# Altium PCB Sheet1.PcbDoc
Units mm, origin at the board's own origin, x right, y up, seen from the top; angles counter-clockwise.
Board outline 116.87 x 83.92 mm, 2 copper layers (Top Layer, Bottom Layer), stack 1.569 mm thick; 84 components, 81 nets, 283 pads, 74 vias.
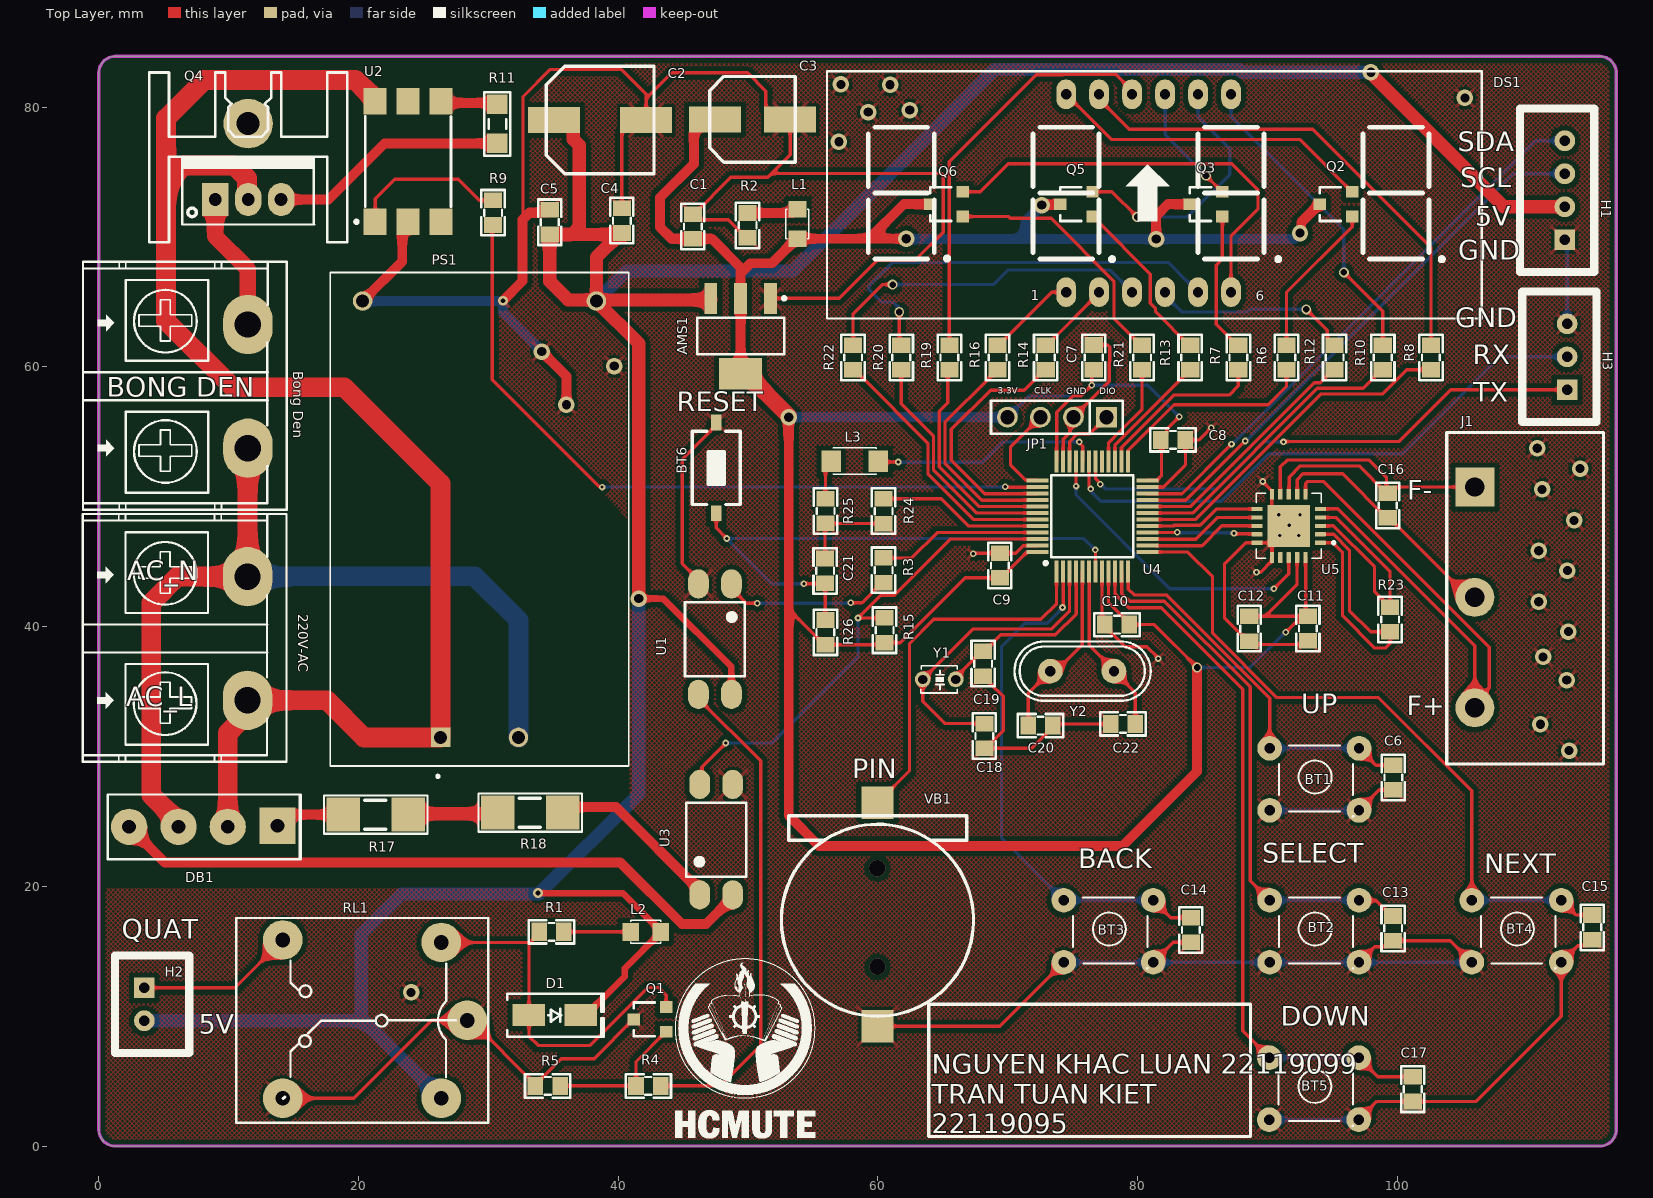
[diagram p0: Top Layer view]
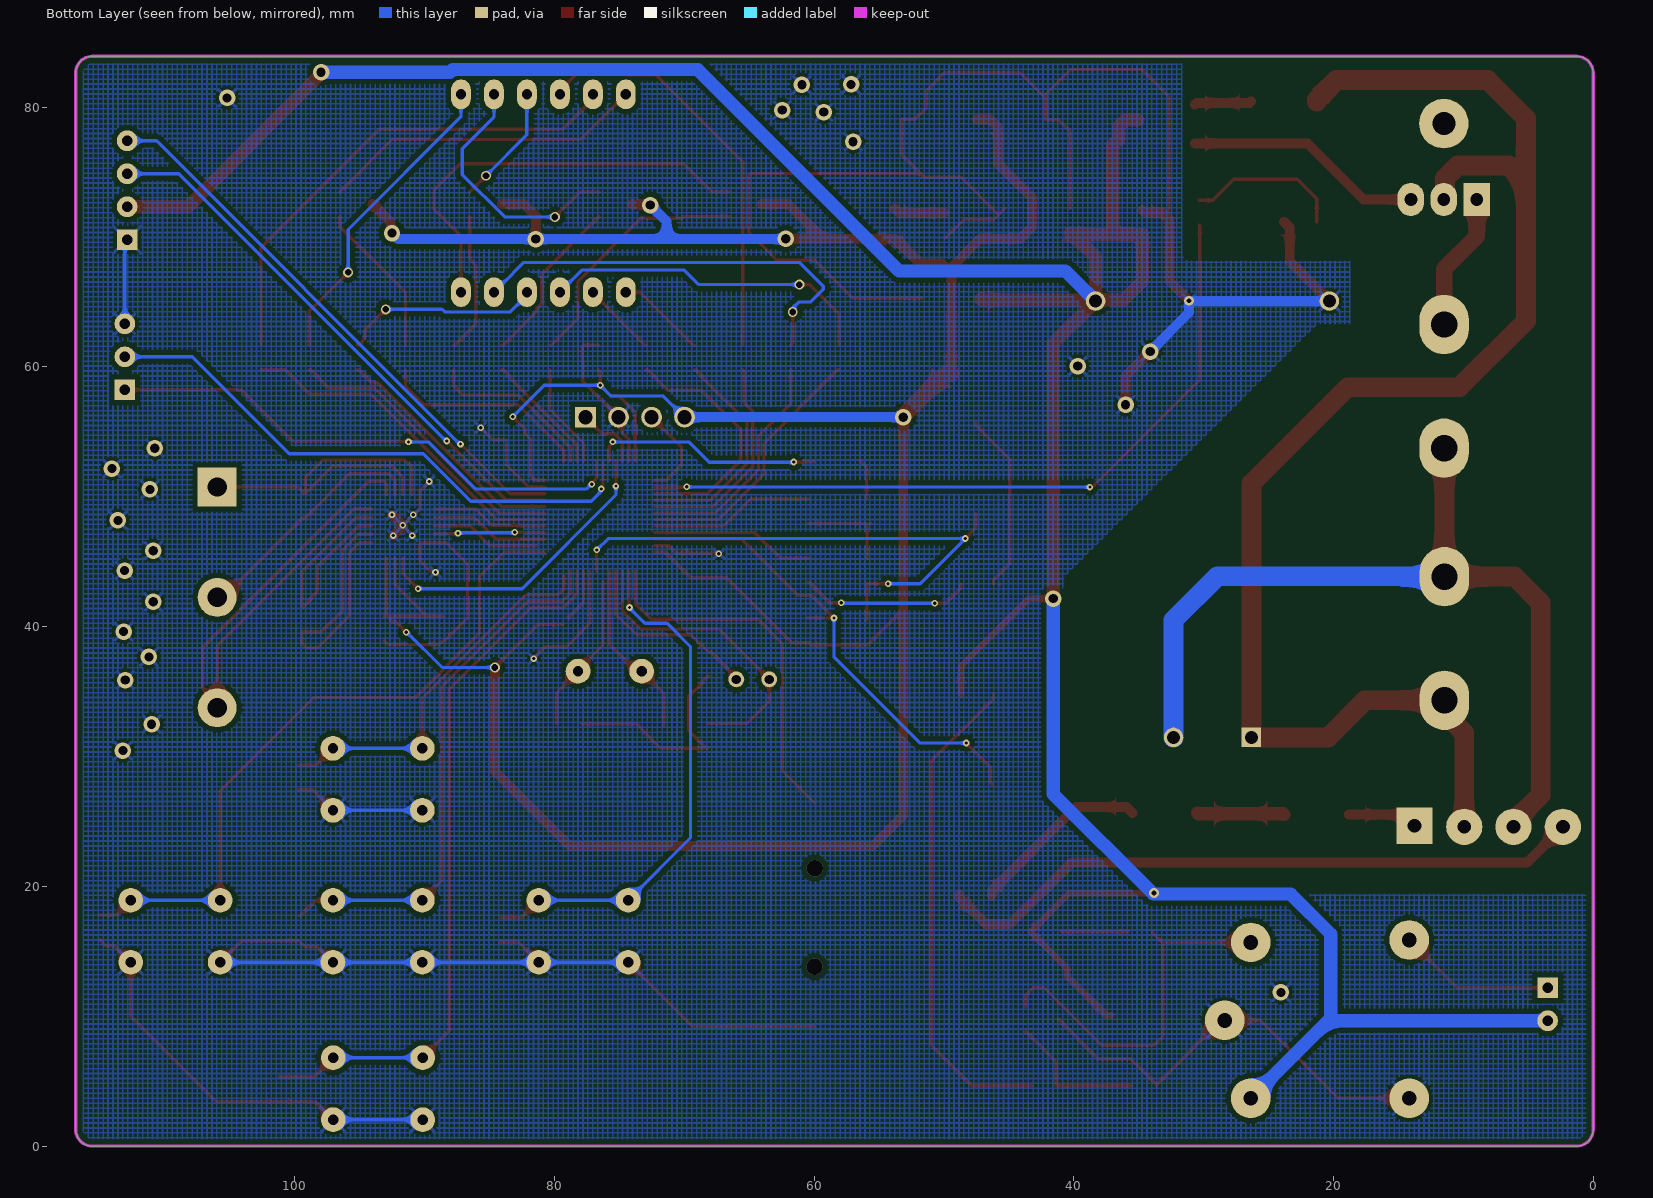
[diagram p1: Bottom Layer view, seen from below]

## Layer stack, top to bottom
Top Solder: solder mask 0.0254, SM-001, Dk 4
Top Layer: signal copper 0.035
Dielectric 1: core 1.4986, Core-043, Dk 4.3
Bottom Layer: signal copper 0.035
Bottom Solder: solder mask 0.0254, SM-001, Dk 4

## Board outline
1.27,0 cw(c1.27,1.27) 0,1.27 0,82.652 cw(c1.27,82.652) 1.27,83.922 115.595,83.922 cw(c115.595,82.652) 116.865,82.652 116.865,1.27 cw(c115.595,1.27) 115.595,0

## Design rules (kind name [scope] priority, off if disabled: settings)
Clearance Clearance_4 [All vs InPolygon] p1: gap=0.381 ignorepadtopadclearanceinfootprint=FALSE
Clearance [All] p2: gap=0.152 ignorepadtopadclearanceinfootprint=FALSE
ComponentClearance [All] p1: gap=0.254 collisioncheckmode=3 verticalgap=0.102 showdistances=TRUE
HoleToHoleClearance [All] p1: gap=0.025 allowstackedmicrovias=TRUE
MinimumSolderMaskSliver [All] p1: minsoldermaskwidth=0.025
PolygonConnect [All] p1: connectstyle=Relief reliefconductorwidth=0.254 reliefentries=4 polygonreliefangle="45 Angle" airgapwidth=0.254
RoutingVias [All] p1: holewidth=0.381 width=0.762 viastyle="Through Hole" minholewidth=0.254 minwidth=0.508 maxholewidth=0.711 maxwidth=1.27
SilkToSilkClearance [All] p1: silktosilkclearance=0.025
SilkToSolderMaskClearance [IsPad] p1: minsilkscreentomaskgap=0.025 clearancetoexposedcopper=TRUE
SolderMaskExpansion SolderMaskExpansion_1 [IsVia] p1: expansion=0.102 istentingtop=TRUE
SolderMaskExpansion [All] p2: expansion=0 istentingtop=FALSE useseparateexpansions=TRUE expansionbottom=0 istentingbottom=FALSE
Width 5V [InNet('5V')] p1: maxlimit=1.524 minlimit=0.508 preferedwidth=1.016
Width AC_N [InNet('N')] p2: maxlimit=2.032 minlimit=1.016 preferedwidth=1.524
Width AC_L [InNet('L')] p3: maxlimit=2.032 minlimit=1.016 preferedwidth=1.524
Width [All] p4: maxlimit=1.27 minlimit=0.254 preferedwidth=0.762
25 further rules are at their usual default settings.

## Components (designator, comment, footprint, x,y, rotation, side; value= is the part's Value field where it differs from the comment)
220V-AC "HB9500" "CON 2 HB9500" 11.455,39.091 r270 top
AMS1 "AMS1117-3.3V" SOT223 49.428,62.382 r180 top value="AMS1117-3.3V SOT223"
"Bong Den" "HB9500" "CON 2 HB9500" 11.481,58.509 r270 top
BT1 "" "Nut Nhan 4 Chan Cam 6x6" 90.5,30.836 r0 top
BT2 "" "Nut Nhan 4 Chan Cam 6x6" 90.5,19.132 r0 top
BT3 "" "Nut Nhan 4 Chan Cam 6x6" 74.651,19.132 r0 top
BT4 "" "Nut Nhan 4 Chan Cam 6x6" 106.072,19.132 r0 top
BT5 "" "Nut Nhan 4 Chan Cam 6x6" 90.475,7.01 r0 top
BT6 "Nut Nhan 2 Chan SMD 3x6x2.5" "Nut Nhan 2 Chan SMD 3x6x2.5" 47.549,52.222 r270 top
C1 "106" "tu 0805" 45.745,70.815 r90 top
C2 "470uF" "tu nhom 8 (f)" 38.602,79.019 r0 top
C3 "100uF" "tu nhom 6.3 (d)" 50.343,79.07 r0 top
C4 "330nF" "tu 0805" 40.284,71.272 r270 top
C5 "104" "tu 0805" 34.722,71.145 r90 top
C6 "104" "tu 0805" 99.692,28.378 r90 top
C7 "104" "tu 0805" 76.622,60.735 r90 top
C8 "104" "tu 0805" 82.728,54.381 r0 top
C9 "104" "tu 0805" 69.393,44.704 r90 top
C10 "104" "tu 0805" 78.41,40.157 r180 top
C11 "104" "tu 0805" 93.12,39.867 r270 top
C12 "104" "tu 0805" 88.599,39.847 r270 top
C13 "104" "tu 0805" 99.67,16.764 r90 top
C14 "104" "tu 0805" 84.099,16.637 r90 top
C15 "104" "tu 0805" 115.011,16.84 r90 top
C16 "104" "tu 0805" 99.259,49.336 r90 top
C17 "104" "tu 0805" 101.19,4.38 r90 top
C18 "10pF" "tu 0805" 68.202,31.592 r270 top
C19 "10pF" "tu 0805" 68.101,37.149 r270 top
C20 "22pF" "tu 0805" 72.527,32.387 r0 top
C21 "105" "tu 0805" 55.931,44.298 r90 top
C22 "22pF" "tu 0805" 78.881,32.507 r180 top
D1 "M7" "DIODE SMA" 35.128,10.084 r0 top
DB1 "Diode Brideg" "DIO-Bri 2A" 13.767,24.613 r180 top value="Cau 1A"
DS1 "7SEGQ" LED7SEG-4-0.56 74.498,65.761 r0 top value="LED 7Q SEG"
H1 "Header 4P" XH2.54M-4 112.903,69.799 r90 top
H2 "Header  2" XH2.54M-2 3.505,12.191 r270 top
H3 "Header 3P" XH2.54M-3 113.081,58.242 r90 top
J1 "KF3" KF3-8.5 105.969,42.248 r0 top
JP1 "JP 1x4 2.54" "JP 1x4 DT" 77.597,56.134 r180 top
L1 "LED 0805" LED-0805-Red 53.797,69.875 r90 top
L2 "LED 0805" LED-0805-Yellow 43.268,16.5 r180 top
L3 "LED 0805" LED-1206-Blue 60.02,52.756 r180 top
PS1 "HLK-5M05" CONV_HLK-5M05 29.32,48.275 r90 top
Q1 "HF" SOT23 42.443,9.754 r90 top value=C9014
Q2 "BA" SOT23 95.275,72.542 r90 top
Q3 "BA" SOT23 85.278,72.542 r90 top
Q4 "BTA12-600" TO220H1 11.506,72.897 r0 top
Q5 "BA" SOT23 75.281,72.542 r90 top
Q6 "BA" SOT23 65.283,72.542 r90 top
R1 "1k" "tro smd 0805" 34.872,16.439 r180 top
R2 "220R" "tro smd 0805" 49.901,70.902 r90 top
R3 "220R" "tro smd 0805" 60.503,44.348 r270 top
R4 "1k" "tro smd 0805" 42.316,4.699 r0 top
R5 "4.7k" "tro smd 0805" 34.569,4.699 r0 top
R6 "220R" "tro smd 0805" 91.405,60.732 r90 top
R7 "220R" "tro smd 0805" 87.696,60.732 r90 top
R8 "82R" "Tro SMD 0805" 102.53,60.732 r90 top
R9 "220R" "tro smd 0805" 30.302,71.881 r90 top
R10 "82R" "Tro SMD 0805" 98.821,60.732 r90 top
R11 "470R" "tro smd 1206" 30.683,78.715 r270 top
R12 "82R" "Tro SMD 0805" 95.113,60.732 r90 top
R13 "220R" "tro smd 0805" 83.988,60.732 r90 top
R14 "82R" "Tro SMD 0805" 72.863,60.732 r90 top
R15 "1k" "tro smd 0805" 60.579,39.726 r270 top
R16 "82R" "Tro SMD 0805" 69.154,60.732 r90 top
R17 "100k" "tro smd 2010" 21.325,25.526 r0 top
R18 "100k" "tro smd 2010" 33.223,25.679 r0 top
R19 "82R" "Tro SMD 0805" 65.446,60.732 r90 top
R20 "82R" "Tro SMD 0805" 61.737,60.732 r90 top
R21 "220R" "tro smd 0805" 80.279,60.732 r90 top
R22 "82R" "Tro SMD 0805" 58.029,60.732 r90 top
R23 "430R 0.1%" "Tro SMD 0805" 99.502,40.553 r270 top
R24 "10k" "tro smd 0805" 60.503,48.895 r270 top
R25 "220R" "tro smd 0805" 55.905,48.895 r90 top
R26 "10k" "tro smd 0805" 56.017,39.567 r270 top
RL1 "Relay" "Relay 5 Chan SRD" 28.373,9.682 r180 top
U1 "OPTO PC817 SMD" SOP4 47.447,39.04 r270 top value=PC817
U2 "MOC3021M" SO6 23.825,75.818 r0 top
U3 "OPTO PC817 SMD" SOP4 47.549,23.597 r90 top value=PC817
U4 "STM32F103C8T6" LQFP-48_19.6_393_58X11_SMD 76.514,48.497 r90 top
U5 "MAX31865ATP+T" QFN65P500X500X80-21N 91.64,47.762 r180 top
VB1 "CR1220 SMD" "DE PIN CR1220" 59.969,17.831 r180 top
Y1 "32.768K" "Thach Anh 2 Chan 32,768 KHz" 65.989,35.941 r270 top value=4Mhz
Y2 "8Mhz" "Thach Anh 2 chan cam" 75.731,36.575 r180 top value=4Mhz

## Footprints (in the part's own frame and the unit in brackets; to place one, negate y for a bottom-side part, rotate by r counter-clockwise, add the part's x,y. Pads: shape width x height; smd on the part's side, far side on the other; paste and mask are expansions set on the pad)
"CON 2 HB9500" [mil] "Header 2: 300V-20A, 2 pin, hight 300mil, Pin to Pin 400, Colour Green"
  oval 180x150 hole 80: 1(-187.5,0) 2(187.5,0)
  silkscreen extent -378,-500 374,118, body extent -366,-485 345,115, height 501
CONV_HLK-5M05 [mm]
  rect 1.5x1.5 / inner round 1.5 / far side rect 1.5x1.5 hole 1: 1(-16.8,3)
  round 1.5 hole 1: 2(-16.8,-3) 3(16.8,9) 4(16.8,-9)
  silkscreen extent -19.9,-11.5 19,11.5, body extent -19,-11.5 19,11.5, height 23
"DE PIN CR1220" [mm]
  rect 2.5x2.5 smd: 1(0,-8.6) 2(0,8.6)
  silkscreen extent -7.39,-7.6 7.4,7.84, body extent -7.39,-9.42 7.36,9.38, height 4.27
"DIO-Bri 2A" [mil] "CAU 2A DET"
  rect 110x110 hole 42: 1(0,-2)
  round 110 hole 42: 2(151,1) 3(300,1) 4(450,1)
  silkscreen extent -70,-97 515,100, body extent -62,-95 512,102, height 650
"DIODE SMA" [mm] "SMA"
  rect 2.5x1.7 smd: 1(-2,0) 2(2,0)
  silkscreen extent -3.68,-1.65 3.75,1.65, body extent -2.6,-1.37 2.6,1.37, height 2.4
"JP 1x4 DT" [mm] "4 pins, 1 row, straight, gold plating"
  rect 1.6x1.6 hole 1.1: 1(0,0)
  round 1.6 hole 1.1: 2(2.54,0) 3(5.08,0) 4(7.62,0)
  silkscreen extent -1.27,-1.27 8.89,1.27, body extent -1.27,-1.27 8.89,1.27, height 8.54
KF3-8.5 [mm]
  rect 3x3 hole 1.5: 1(0,8.509)
  round 3 hole 1.5: 2(0,0.009) 3(0,-8.491)
  silkscreen extent -2.16,-12.83 9.91,12.7, body extent -2.16,-12.75 9.84,12.75, height 12.5
LED7SEG-4-0.56 [mil]
  oval 60x90 hole 31: 1(0,0) 2(100,0) 3(200,0) 4(300,0) 5(400,0) 6(500,0) 7(500,600) 8(400,600) 9(300,600) 10(200,600) 11(100,600) 12(0,600)
  silkscreen extent -725,-80 1260,670, body extent -720,-80 1260,668, height 565
LED-0805-Red [mil]
  rect 50x55 smd: 1(0,0) 2(90,0)
  silkscreen extent 0,-35 90,35, body extent 5,-25 85,25, height 43
LED-0805-Yellow [mil]
  rect 50x55 smd: 1(0,0) 2(90,0)
  silkscreen extent 0,-35 90,35, body extent 5,-25 85,25, height 43
LED-1206-Blue [mil] "Compoment SMD 120x60mil"
  rect 60x65 smd: 1(0,0) 2(142,0)
  silkscreen extent 6,-40 136,40, body extent 7,-31 133,32, height 43
LQFP-48_19.6_393_58X11_SMD [mm] "48LQFP"
  rect 1.7x0.3 smd mask+0.076: 1(-4.238,2.75) 2(-4.238,2.25) 3(-4.238,1.75) 4(-4.238,1.25) 5(-4.238,0.75) 6(-4.238,0.25) 7(-4.238,-0.25) 8(-4.238,-0.75) 9(-4.238,-1.25) 10(-4.238,-1.75) 11(-4.238,-2.25) 12(-4.238,-2.75) 25(4.238,-2.75) 26(4.238,-2.25) 27(4.238,-1.75) 28(4.238,-1.25) 29(4.238,-0.75) 30(4.238,-0.25) 31(4.238,0.25) 32(4.238,0.75) 33(4.238,1.25) 34(4.238,1.75) 35(4.238,2.25) 36(4.238,2.75)
  rect 0.3x1.7 smd mask+0.076: 13(-2.75,-4.238) 14(-2.25,-4.238) 15(-1.75,-4.238) 16(-1.25,-4.238) 17(-0.75,-4.238) 18(-0.25,-4.238) 19(0.25,-4.238) 20(0.75,-4.238) 21(1.25,-4.238) 22(1.75,-4.238) 23(2.25,-4.238) 24(2.75,-4.238) 37(2.75,4.238) 38(2.25,4.238) 39(1.75,4.238) 40(1.25,4.238) 41(0.75,4.238) 42(0.25,4.238) 43(-0.25,4.238) 44(-0.75,4.238) 45(-1.25,4.238) 46(-1.75,4.238) 47(-2.25,4.238) 48(-2.75,4.238)
  silkscreen extent -3.72,-3.15 3.15,3.72, body extent -4.5,-4.5 4.5,4.5, height 1.7
"Nut Nhan 2 Chan SMD 3x6x2.5" [mm] "Switch SMD type"
  rect 1.2x0.8 smd: 1(-3.5,0) 2(3.5,0)
  silkscreen extent -2.82,-1.85 2.82,1.85, body extent -3.05,-1.85 3.05,1.85, height 2.5
"Nut Nhan 4 Chan Cam 6x6" [mil] "SW button 4pin, 250 x250 mil"
  round 75 hole 31: 1(-13,-8) 1(258,-8) 2(-13,-196) 2(258,-196)
  silkscreen extent 15,-215 240,0, body extent -31,-225 281,19, height 276
QFN65P500X500X80-21N [mm]
  rrect25% 0.84x0.32 smd: 1(-2.435,1.3) 2(-2.435,0.65) 3(-2.435,0) 4(-2.435,-0.65) 5(-2.435,-1.3) 11(2.435,-1.3) 12(2.435,-0.65) 13(2.435,0) 14(2.435,0.65) 15(2.435,1.3)
  rrect25% 0.32x0.84 smd: 6(-1.3,-2.435) 7(-0.65,-2.435) 8(0,-2.435) 9(0.65,-2.435) 10(1.3,-2.435) 16(1.3,2.435) 17(0.65,2.435) 18(0,2.435) 19(-0.65,2.435) 20(-1.3,2.435)
  rect 3.25x3.25 smd paste-0.595: 21(0,0)
  silkscreen extent -3.56,-2.5 2.5,2.5, body extent -2.5,-2.5 2.5,2.5, height 0.8
"Relay 5 Chan SRD" [mil] "Relay SPDT, 5 pin, 10A,W 650mil, L 800mil, H 800mil"
  round 120 hole 45: 1(0,0) 2(559.06,236.22) 3(559.06,-243.78) 4(78.74,-236.22) 5(78.74,236.22)
  silkscreen extent -63,-311 700,310, body extent -55,-306 697,304, height 602
SO6 [mil]
  rect 70x80 smd: 1(-100,-182.48) 2(0,-182.48) 3(100,-182.48) 5(0,182.48) 6(-100,182.48)
  rect 70x80 smd mask+0: 4(100,182.48)
  silkscreen extent -162,-187 130,137, body extent -138,-212 138,211, height 141
SOP4 [mm]
  oval 2.25x1.6 smd: 1(-4.25,1.27) 2(-4.25,-1.27) 3(4.25,-1.27) 4(4.25,1.27)
  silkscreen extent -2.85,-2.3 2.85,2.3, body extent -4.67,-2.29 4.93,2.31, height 3.6
SOT23 [mm] "SOT23"
  rect 0.9x0.95 smd: 1(-0.95,-1.25) 2(0,1.25)
  rect 0.9x0.95 smd mask+0: 3(0.95,-1.25)
  silkscreen extent -1.3,-0.38 1.3,1.25, body extent -1.52,-1.23 1.48,1.27, height 1.06
SOT223 [mm]
  rect 1x2.4 smd: 1(-2.3,-2.9) 2(0,-2.9) 3(2.3,-2.9)
  rect 3.3x2.4 smd: 4(0,2.9)
  silkscreen extent -3.48,-3.02 3.35,1.4, body extent -3.25,-3.56 3.25,3.4, height 1.68
"Thach Anh 2 Chan 32,768 KHz" [mil]
  round 48 hole 28: 1(0,0) 2(0,-100)
  silkscreen extent -42,-106 42,5, body extent -120,-105 321,6, height 66
"Thach Anh 2 chan cam" [mm]
  round 1.905 hole 0.8: 1(-2.45,0) 2(2.45,0)
  silkscreen extent -5.28,-2.29 5.21,2.29, body extent -5.68,-2.36 5.68,2.29, height 3.5
TO220H1 [mil] "TO-220 - 1-2-3"
  round 150 hole 70: 0(0,230)
  rect 80x100 hole 39: 1(-100,0)
  oval 80x100 hole 39: 2(0,0) 3(100,0)
  silkscreen extent -300,-130 300,385, body extent -246,-82 250,329, height 1000
"tro smd 0805" [mm]
  rect 1.2x1.4 smd: 1(-0.946,-0.061) 2(0.954,-0.061)
  silkscreen extent -1.75,-0.97 1.75,0.84, body extent -1.56,-0.76 1.44,0.64, height 0.53
"Tro SMD 0805" [mm]
  rect 1.2x1.4 smd: 1(-0.946,-0.061) 2(0.954,-0.061)
  silkscreen extent -1.75,-0.97 1.75,0.84, body extent -1.56,-0.76 1.44,0.64, height 0.53
"tro smd 1206" [mm]
  rect 1.5x1.6 smd: 1(-1.5,0) 2(1.5,0)
  silkscreen extent -2.44,-0.99 2.44,0.99, body extent -1.6,-0.8 1.6,0.8, height 0.6
"tro smd 2010" [mm]
  rect 2.6x2.6 smd: 1(-2.5,0) 2(2.5,0)
  silkscreen extent -3.99,-1.47 3.99,1.47, body extent -2.5,-1.25 2.5,1.25, height 0.59
"tu 0805" [mm] "Compoment SMD 80x50mil"
  rect 1.2x1.4 smd: 1(-0.946,-0.003) 2(0.954,-0.003)
  silkscreen extent -1.75,-0.89 1.75,0.89, body extent -1.01,-0.64 1.01,0.63, height 0.61
"tu nhom 6.3 (d)" [mm]
  rect 4x2 smd: 1(-2.9,0) 2(2.9,0)
  silkscreen extent -3.3,-3.3 3.3,3.3, body extent -3.8,-3.3 3.8,3.3, height 8
"tu nhom 8 (f)" [mm]
  rect 4x2 smd: 1(-3.55,0) 2(3.55,0)
  silkscreen extent -4.15,-4.15 4.15,4.15, body extent -4.85,-4.25 4.85,4.25, height 10.5
XH2.54M-2 [mm]
  rect 1.6x1.6 hole 0.8: 1(0,0)
  round 1.6 hole 0.8: 2(2.54,0)
  silkscreen extent -2.48,-2.26 5.02,3.46, body extent -2.48,-2.26 5.02,3.48, height 6.91
XH2.54M-3 [mm]
  rect 1.6x1.6 hole 0.8: 1(0,0)
  round 1.6 hole 0.8: 2(2.54,0) 3(5.08,0)
  silkscreen extent -2.48,-2.26 7.56,3.46, body extent -2.48,-2.26 7.56,3.48, height 6.91
XH2.54M-4 [mm]
  rect 1.6x1.6 hole 0.8: 1(0,0)
  round 1.6 hole 0.8: 2(2.54,0) 3(5.08,0) 4(7.62,0)
  silkscreen extent -2.48,-2.26 10.1,3.46, body extent -2.48,-2.26 10.1,3.48, height 6.91

## Part data
220V-AC "Bong Den": library part "CON 2 HB9500", "Cắm", Chung_Loai=Cắm, Don_Vi=Con, Ma_Hang=MH002054, Ten_Linh_Kien="CON 2 HB9500-2P 9.5MM"
AMS1: library part "AMS1117 SMD", "Dán", Chung_Loai=Dán, Don_Vi=Con, Ma_Hang=MH000596
BT1 BT2 BT3 BT4 BT5: library part "Nut Nhan 4 Chan Cam 6x6", "Nut Nhan 4 Chan 6x6mm", Ma_Hang=MH004584, Ten="Nút Nhấn 4 Chân 6x6x5MM DIP"
C1 C11 C12 C16: library part "Tu 0805 106 16V 10%", "Dán", Chung_Loai=Dán, Don_Vi=Con, Ma_Hang=MH004553, So_Chan=2, Ten_Linh_Kien="Tụ 0805 106-10uF 10% 16V"
C2: library part "Tu Nhom 470uF 16V", "Dán", Chung_Loai=Dán, Don_Vi=Con, Ma_Hang=MH001940, So_Chan=2, Ten_Linh_Kien="Tụ Nhôm 470uF 16V 8x10.4MM"
C3: library part "Tu Nhom 100uF 16V", "Dán", Chung_Loai=Dán, Don_Vi=Con, Ma_Hang=MH002219, So_Chan=2, Ten_Linh_Kien="Tụ Nhôm 100uF 16V 6.3x5.4MM"
C4: library part "Tu 0805 332 50V 10%", "Dán", Chung_Loai=Dán, Don_Vi=Con, Ma_Hang=MH004561, So_Chan=2, Ten_Linh_Kien="Tụ 0805 332-3.3nF 10% 50V"
C5 C6 C7 C8 C9 C10 C13 C14 C15 C17: library part "Tu 0805 104 50V 10%", "Dán", Chung_Loai=Dán, Don_Vi=Con, Ma_Hang=MH004551, So_Chan=2, Ten_Linh_Kien="Tụ 0805 104-100nF 10% 50V"
C18 C19: library part "Tu 0805 10pF 50V 10%", "Dán", Chung_Loai=Dán, Don_Vi=Con, Ma_Hang=MH004554, So_Chan=2, Ten_Linh_Kien="Tụ 0805 10P 10% 50V"
C20 C22: library part "Tu 0805 22pF 50V 10%", "Dán", Chung_Loai=Dán, Don_Vi=Con, Ma_Hang=MH004560, So_Chan=2, Ten_Linh_Kien="Tụ 0805 22P 10% 50V"
C21: library part "Tu 0805 105 50V 10%", "Dán", Chung_Loai=Dán, Don_Vi=Con, Ma_Hang=MH004552, So_Chan=2, Ten_Linh_Kien="Tụ 0805 105-1uF 10% 50V"
D1: library part "Diode M7 ( 4007 )", "Dán", Chung_Loai=Dán, Don_Vi=Con, Ma_Hang=MH000944, Ten_Linh_Kien="Diode M7 1N4007 SMD 1A 1000V"
DB1: library part "DIODE BRIGDE", "Convert AC to DC voltage, 4 pin"
DS1: library part LED7SEG-4, "Four 7 Seg Dipslay"
H1: library part "Header 4P 2.54 Duc Thang", "Cắm", Chung_Loai=Cắm, Don_Vi=Con, Ma_Hang=MH001285, Ten_Linh_Kien="Header 4P XH2.54-4P Đực Thẳng"
H2: library part "Header 2P 2.54 Duc Thang", "Cắm", Chung_Loai=Cắm, Don_Vi=Con, Ma_Hang=MH001283, Ten_Linh_Kien="Header 2P XH2.54-2P Đực Thẳng"
H3: library part "Header 3P 2.54 Duc Thang", "Cắm", Chung_Loai=Cắm, Don_Vi=Con, Ma_Hang=MH001292, Ten_Linh_Kien="Header 3P XH2.54-3P Đực Thẳng"
J1: Manufacturer="Würth Elektronik eiSos GmbH", partNo=691103110003, ComponentLink1 Description=Manufacturer, ComponentLink1URL=http://www.we-online.com, ComponentLink2 Description=Datasheet, ComponentLink2URL=http://katalog.we-online.de/em/datasheet/6911031100xx.pdf, Created by="Karrer Zheng", Created Date="29 October 2013", NoPins=3
JP1: library part "JP 1x4 2.54 Duc Thang", "Cắm", Chung_Loai=Cắm, Don_Vi=Con, Ma_Hang=MH000903, Ten_Linh_Kien="Jump Đơn Đực 2.54MM 1x40P Thẳng 11MM"
L1: library part "LED 0805 Do", "Dán", Chung_Loai=Dán, Don_Vi=Con, Ma_Hang=MH000897, Ten_Linh_Kien="LED 0805 Màu Đỏ (Red)"
L2: library part "LED 0805 Vang", "Dán", Chung_Loai=Dán, Don_Vi=Con, Ma_Hang=MH002329, Ten_Linh_Kien="LED 0805 Màu Vàng ( Yellow)"
L3: library part "LED 1206 Xanh Duong", "Dán", Chung_Loai=Dán, Don_Vi=Con, Ma_Hang=MH002333, Ten_Linh_Kien="LED1206 Màu Xanh Dương (Blue)"
PS1: "AC DC 220V to 5V 5W 5Watt Isolated Switching Step-Down Power Supply Module Converter", Package=Package, Availability="Not in stock", Check_prices=https://www.snapeda.com/parts/HLK-5M05/Hi-link/view-part/?ref=eda, MF=Hi-link, MP=HLK-5M05, Price=None, SnapEDA_Link=https://www.snapeda.com/parts/HLK-5M05/Hi-link/view-part/?ref=snap
Q1: library part "C1815 HF SMD", "NPN transistor"
Q2 Q3 Q5 Q6: library part "A1015 BA SMD", "PNP 600mW, ECB"
Q4: "Silicon Bidirectional Triode Thyristor", Code_JEDEC=TO-251-AA, ComponentLink1Description="Manufacturer Link", ComponentLink1URL=http://www.motorola.com/, DatasheetDocument=1999, LatestRevisionDate=17-Jul-2002, LatestRevisionNote="Re-released for DXP Platform.", Note="Pin 2 is electrically connected to Pin 4 (TAB)", PackageReference=369-03, Published=29-Sep-2000, Publisher="Altium Limited"